# Altium PCB LimeSDR-QPCIe_1v2.PcbDoc (part 11 of 21)
Units mm, origin at the board's own origin, x right, y up, seen from the top; angles counter-clockwise.
Board outline 190 x 111.15 mm, 14 copper layers (Top, L2, L3, L4, L5, L6, L7, L8, L9, L10, L11, L12, L13, Bottom), stack 1.907 mm thick; 2014 components, 1408 nets, 9111 pads, 4171 vias.
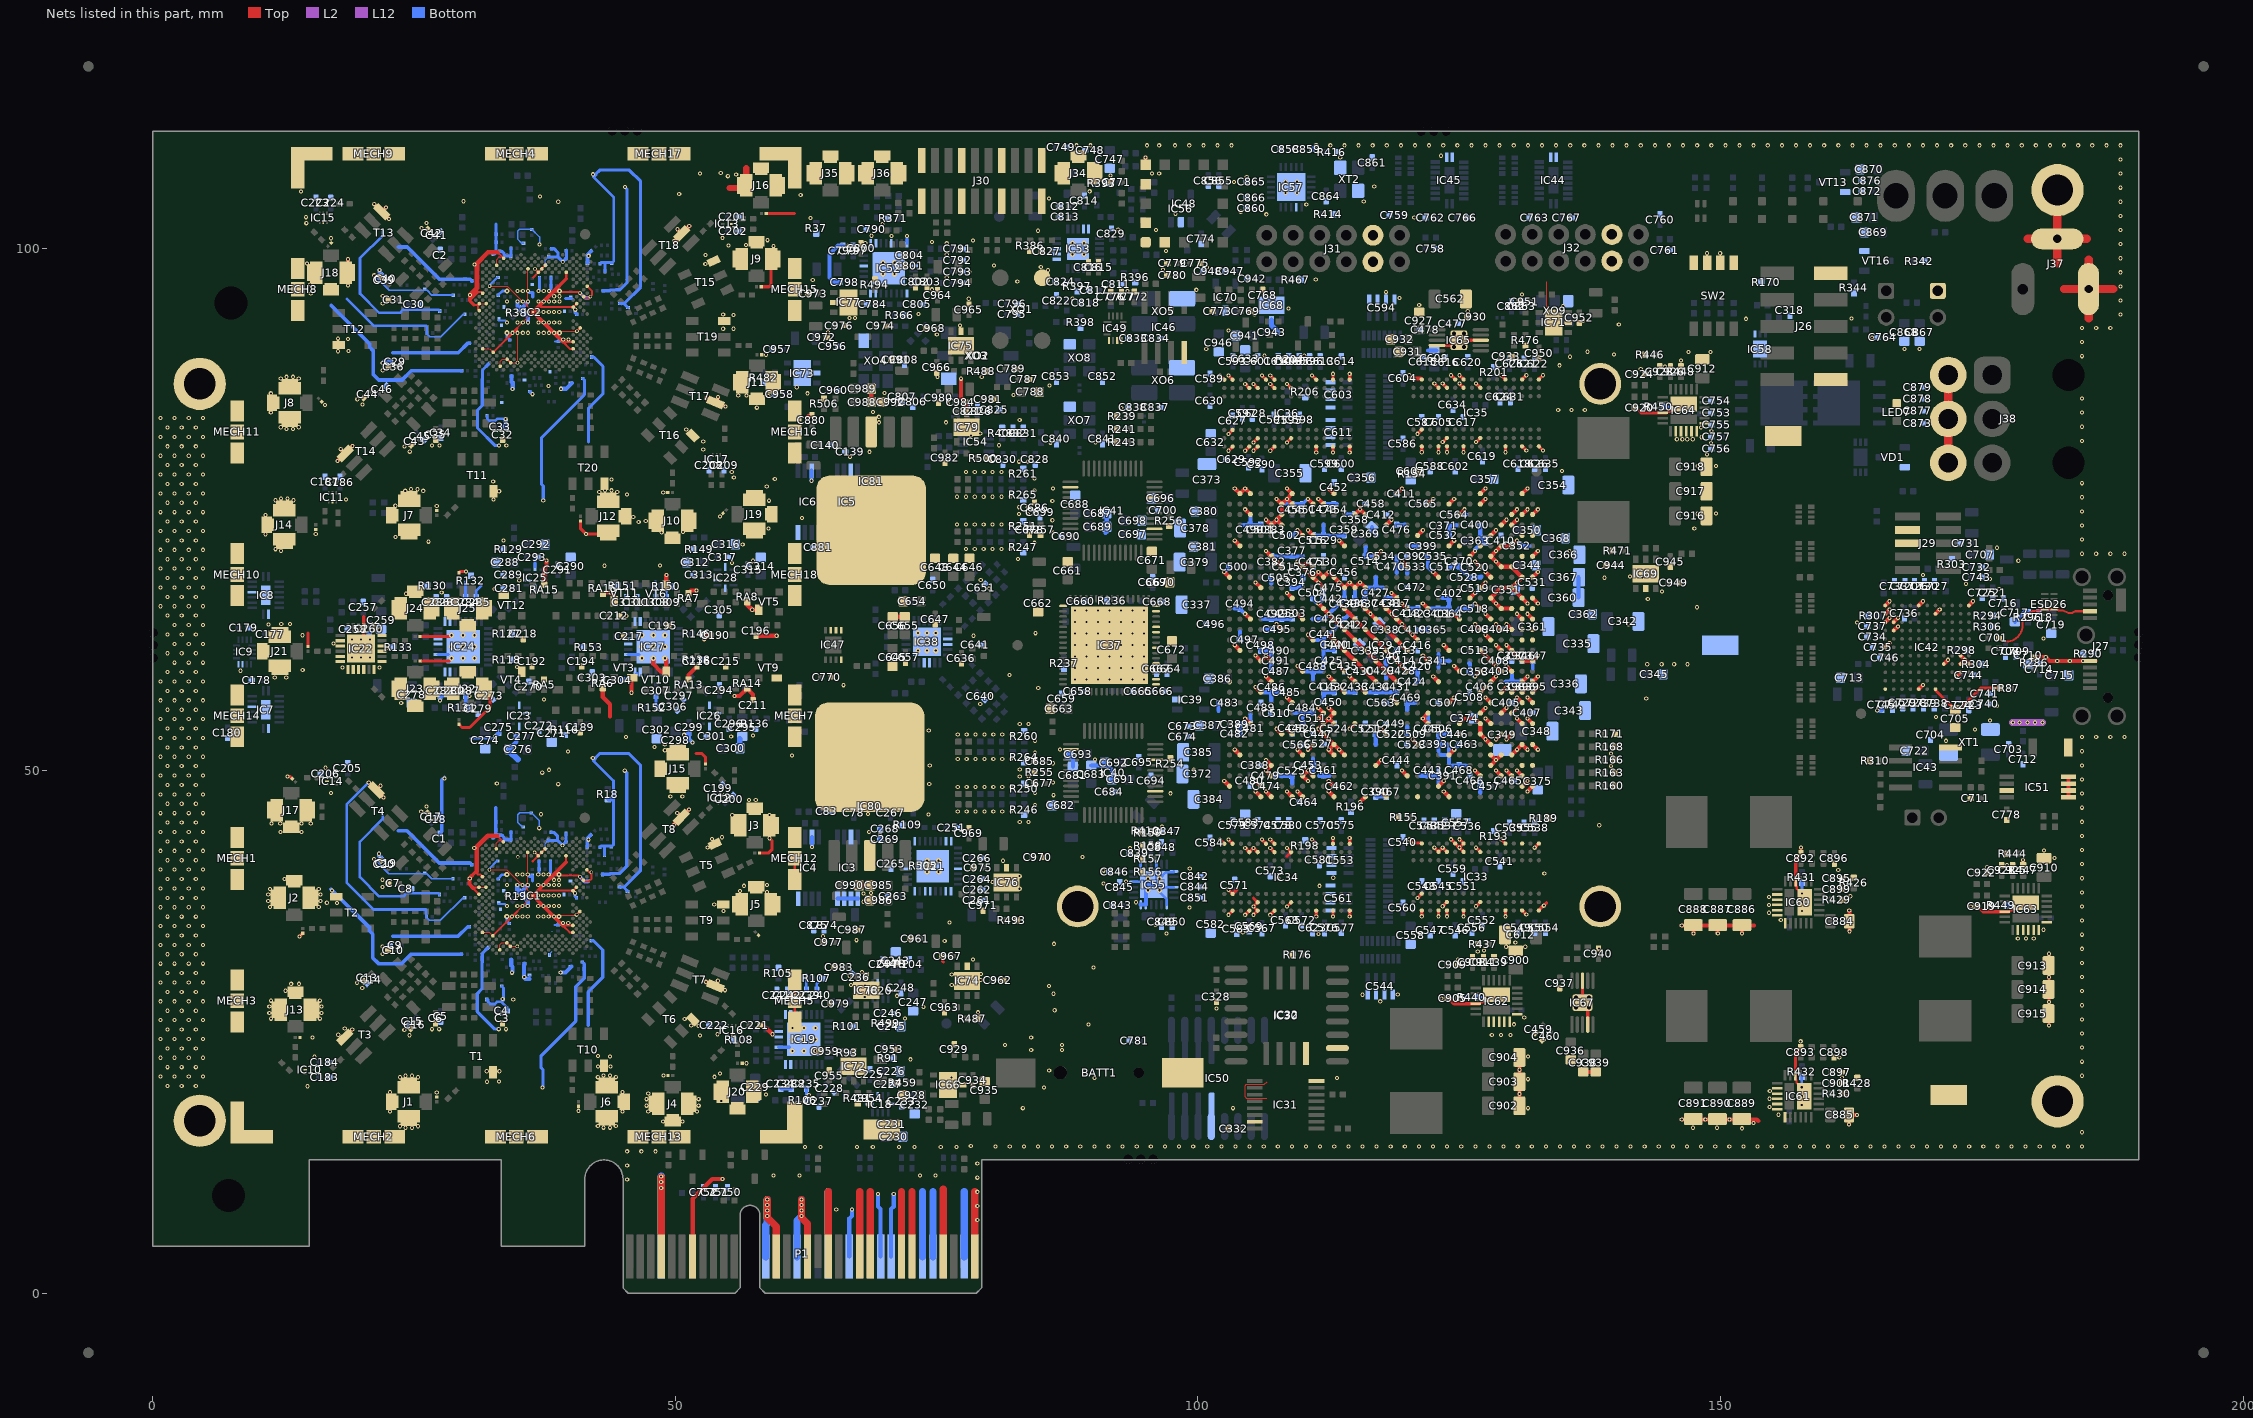
[diagram p23: the nets of this part, all layers, seen from the top]

## Via types
v1: diameter 0.4, hole 0.2, Top to Bottom, tented both sides, 3282 vias
v2: diameter 0.4, hole 0.2, Top to Bottom, tented top, 531 vias
v3: diameter 0.35, hole 0.2, Top to Bottom, tented top, 210 vias
v4: diameter 0.5, hole 0.2, Top to Bottom, tented both sides, 99 vias
v5: diameter 0.5, hole 0.2, Top to Bottom, tented bottom, 49 vias

## Nets (pads, with @x,y where several pads share a name; then routed paths per layer and width w, separated by ;. In a path a pad name is that pad's centre, name@x,y a point inside that pad or via, vN(x,y) a via of type N, cw(c..) or ccw(c..) an arc to the next point about the centre after c; other vN are vias at no path point) (continued)
FX3_USB_SSTX_P: C701.2 ESD26.2 ESD26.9 J27.7 | length 10.7
  Top w0.2: C701.2@176.65,62.7 176.75,62.6 ccw(c177.354,63.204) 177.354,62.35 ccw(c177.354,63.896) 178.123,62.555 ccw(c177.354,63.896) 178.9,63.896 178.9,63.95 cw(c180.25,63.95) 180.25,65.3 180.45,65.3 cw(c180.691,65.059) 180.691,65.4 ESD26.9@181.026,65.4 ESD26.2@181.9,65.4 182.158,65.4 cw(c182.158,65.059) 182.399,65.3 182.762,65.3 183.287,65.075 183.649,65.075 cw(c184.071,64.653) 184.071,65.25 J27.7@185.349,65.25
FX3_VBUS: C705.2 FR87.2 IC42.E11 | length 7.9
  Top w0.309: IC42.E11@170.575,57.8 170.575,57.7 C705.2@172.45,55.825 172.825,55.825 174.9,57.9 FR87.2@176.775,57.9
GND: BATT1.NEGATIVE C1.2 C2.2 C3.2 C4.1 C5.1 C6.2 C7.2 C8.1 C9.1 C10.2 C13.2 C14.1 C15.1 C16.2 C17.2 C18.1 C19.1 C20.2 C29.1 C30.1 C31.2 C32.2 C33.1 C34.1 C35.2 C36.2 C39.2 C40.1 C41.1 C42.2 C43.2 C44.2 C45.1 C46.1 C55.2 C56.2 C57.2 C58.2 C59.2 C60.2 C61.2 C62.2 C63.2 C64.2 C65.2 C66.2 C67.2 C68.2 C69.2 C70.2 C71.2 C72.2 C73.2 C74.2 C75.2 C76.2 C77.2 C78.1 C79.2 C80.2 C81.2 C82.2 C83.1 C84.2 C85.2 C86.2 C87.2 C88.2 C89.2 C90.2 C91.2 C92.2 C93.2 C94.2 C95.2 C96.2 C97.2 C98.2 C99.2 C100.2 C101.2 C102.2 C103.2 C104.2 C105.2 C106.1 C107.1 C108.2 C109.2 C110.2 C111.2 C112.2 C113.2 C114.2 C115.2 C116.2 C117.2 C118.2 C119.2 C120.2 C121.2 C122.2 C123.2 C124.2 C125.2 C126.2 C127.2 C128.2 C129.2 C130.2 C131.2 C132.2 C133.2 C134.2 C135.2 C136.2 C137.2 C138.2 C139.1 C140.1 C141.2 C142.2 C143.2 C144.2 C145.2 C146.2 C147.2 C148.2 C149.2 C150.2 C151.2 C152.2 C153.2 C154.2 C155.2 C156.2 C157.2 C158.2 C159.2 C160.2 C161.2 C162.2 C163.2 C164.2 C165.2 C166.2 C167.1 C168.2 C169.2 C170.2 C171.2 C172.2 C173.2 C174.2 C175.2 C176.2 C177.1 C178.1 C179.1 C180.1 C183.1 C184.1 C186.1 C187.1 C189.2 C190.2 C192.2 C194.2 C195.2 C196.2 C199.1 C200.1 C201.1 C202.1 C205.1 C206.1 C208.1 C209.1 C211.2 C212.2 C215.2 C216.2 C217.2 C218.2 C221.1 C222.1 C223.1 C224.1 C225.1 C226.1 C227.2 C228.2 C229.1 C230.1 C231.2 C232.1 C233.2 C234.1 C235.1 C236.1 C237.1 C238.1 C239.2 C240.2 C241.1 C242.1 C243.1 C244.2 C245.1 C246.2 C247.1 C248.2 C251.1 C257.1 C258.1 C259.1 C260.1 C261.1 C262.1 C263.1 C264.1 C265.1 C266.1 C267.1 C268.1 C269.1 C270.1 C271.1 C272.2 C273.2 C274.1 C275.2 C276.1 C277.2 C278.1 C279.1 C280.1 C281.1 C282.1 C283.1 C284.2 C285.2 C286.1 C287.1 C288.1 C289.2 C290.1 C291.2 C292.1 C293.2 C294.1 C295.1 C296.2 C297.2 C298.1 C299.2 C300.1 C301.2 C302.1 C303.1 C304.1 C305.1 C306.1 C307.1 C308.2 C309.2 C310.1 C311.1 C312.1 C313.2 C314.1 C315.2 C316.1 C317.2 C318.2 C328.2 C332.2 C335.1 C336.1 C337.1 C338.1 C339.1 C340.2 C341.2 C342.1 C343.1 C344.1 C345.1 C346.1 C347.2 C348.1 C349.1 C350.1 C351.1 C352.1 C353.2 C354.1 C355.1 C356.1 C357.1 C358.1 C359.2 C360.1 C361.1 C362.1 C363.1 C364.1 C365.2 C366.1 C367.1 C368.1 C369.1 C370.1 C371.2 C372.1 C373.1 C374.1 C375.1 C376.1 C377.2 C378.1 C379.1 C380.1 C381.1 C382.1 C383.2 C384.1 C385.1 C386.1 C387.1 C388.1 C389.2 C390.2 C391.2 C392.2 C393.2 C394.2 C395.2 C396.2 C397.2 C398.2 C399.2 C400.2 C401.2 C402.2 C403.2 C404.2 C405.2 C406.2 C407.2 C408.2 C409.2 C410.2 C411.2 C412.2 C413.2 C414.2 C415.2 C416.2 C417.2 C418.2 C419.2 C420.2 C421.2 C422.2 C423.2 C424.2 C425.2 C426.2 C427.2 C428.2 C429.2 C430.2 C431.2 C432.2 C433.2 C434.2 C435.2 C436.2 C437.2 C438.2 C439.2 C440.2 C441.2 C442.2 C443.2 C444.2 C445.2 C446.2 C447.2 C448.2 C449.2 C450.2 C451.2 C452.2 C453.2 C454.2 C455.2 C456.2 C457.2 C458.2 C459.2 C460.2 C461.2 C462.2 C463.2 C464.2 C465.2 C466.2 C467.2 C468.2 C469.2 C470.2 C471.2 C472.2 C473.2 C474.2 C475.2 C476.2 C477.2 C478.2 C479.2 C480.2 C481.2 C482.2 C483.2 C484.2 C485.2 C486.2 C487.2 C488.2 C489.2 C490.2 C491.2 C492.2 C493.2 C494.2 C495.2 C496.2 C497.2 C498.2 C499.2 C500.2 C501.2 C502.2 C503.2 C504.2 C505.2 C506.2 C507.2 C508.2 C509.2 C510.2 C511.2 C512.2 C513.2 C514.2 C515.2 C516.2 C517.2 C518.2 C519.2 C520.2 C521.2 C522.2 C523.2 C524.2 C525.2 C526.2 C527.2 C528.2 C529.2 C530.2 C531.2 C532.2 C533.2 C534.2 C535.2 C536.2 C537.2 C538.2 C539.2 C540.2 C541.2 C542.2 C543.2 C544.5 C544.6 C544.7 C544.8 C545.2 C546.2 C547.2 C548.2 C549.2 C550.2 C551.2 C552.2 C553.5 C553.6 C553.7 C553.8 C554.2 C555.2 C556.2 C557.1 C558.1 C559.2 C560.1 C561.5 C561.6 C561.7 C561.8 C562.1 C563.2 C564.2 C565.2 C566.2 C567.2 C568.2 C569.2 C570.2 C571.2 C572.2 C573.2 C574.2 C575.2 C576.2 C577.2 C578.2 C579.2 C580.2 C581.2 C582.1 C583.1 C584.2 C585.1 C586.2 C587.2 C588.2 C589.2 C590.2 C591.2 C592.2 C593.2 C594.5 C594.6 C594.7 C594.8 C595.2 C596.2 C597.2 C598.2 C599.2 C600.2 C601.2 C602.2 C603.5 C603.6 C603.7 C603.8 C604.2 C605.2 C606.2 C607.1 C608.1 C609.2 C610.1 C611.5 C611.6 C611.7 C611.8 C612.1 C613.2 C614.2 C615.2 C616.2 C617.2 C618.2 C619.2 C620.2 C621.2 C622.2 C623.2 C624.2 C625.2 C626.2 C627.2 C628.2 C629.2 C630.2 C631.2 C632.1 C633.1 C634.2 C635.1 C636.1 C640.2 C641.2 C644.1 C645.1 C646.1 C647.2 C648.1 C650.2 C651.2 C654.1 C655.1 C656.1 C657.2 C658.1 C659.1 C660.1 C661.1 C662.1 C663.2 C664.1 C665.1 C666.1 C667.1 C668.1 C669.1 C670.1 C671.1 C672.2 C673.2 C674.1 C677.1 C678.1 C681.1 C682.1 C683.1 C684.1 C685.1 C686.1 C687.1 C688.1 C689.1 C690.1 C691.1 C692.1 C693.1 C694.1 C695.1 C696.1 C697.1 C698.1 C699.1 C700.1 C703.1 C704.1 C705.1 C707.1 C708.2 C709.1 C710.1 C711.2 C712.2 C713.1 C714.2 C715.1 C716.2 C717.1 C718.2 C719.1 C720.2 C721.1 C722.1 C723.2 C724.1 C725.2 C726.1 C727.2 C728.2 C729.1 C730.1 C731.2 C732.2 C733.2 C734.2 C735.2 C736.2 C737.2 C738.2 C739.1 C740.1 C741.1 C742.1 C743.1 C744.1 C745.1 C746.1 C747.1 C748.2 C749.2 C750.2 C751.2 C752.2 C753.2 C754.2 C755.2 C756.2 C757.2 C758.2 C759.2 C760.2 C761.2 C762.2 C763.2 C764.2 C766.2 C767.2 C768.2 C769.2 C770.2 C771.1 C772.2 C773.2 C774.1 C775.1 C776.2 C777.2 C778.2 C779.1 C780.1 C781.2 C784.1 C787.1 C788.1 C789.2 C790.1 C791.1 C792.1 C793.1 C794.1 C795.1 C796.1 C797.1 C798.1 C799.1 C800.1 C801.1 C802.1 C803.1 C804.1 C805.1 C806.1 C807.1 C808.1 C811.1 C812.1 C813.2 C814.2 C815.2 C816.2 C817.1 C818.2 C821.1 C822.1 C824.1 C825.2 C826.2 C827.2 C828.1 C829.1 C830.2 C831.1 C832.2 C833.1 C834.2 C837.1 C838.2 C839.1 C840.2 C841.1 C842.1 C843.1 C844.1 C845.1 C846.1 C847.1 C848.1 C849.1 C850.1 C851.1 C852.2 C853.1 C855.2 C856.1 C858.2 C859.2 C860.2 C861.1 C862.2 C863.1 C864.1 C865.2 C866.2 C867.1 C868.1 C869.1 C870.1 C871.1 C872.2 C873.2 C874.1 C875.2 C876.2 C877.2 C878.2 C879.2 C880.1 C881.2 C884.1 C885.1 C886.1 C887.1 C888.1 C889.1 C890.1 C891.1 C892.2 C893.2 C895.2 C896.2 C897.2 C898.2 C899.2 C900.1 C901.2 C902.1 C903.1 C904.1 C905.2 C908.2 C909.2 C910.1 C911.2 C912.1 C913.1 C914.1 C915.1 C916.1 C917.1 C918.1 C919.2 C920.2 C921.2 C922.2 C923.2 C924.2 C925.2 C926.1 C927.1 C928.1 C929.1 C930.1 C931.1 C932.1 C933.2 C934.1 C935.1 C936.1 C937.1 C938.1 C939.1 C940.2 C941.1 C942.1 C943.1 C944.1 C945.1 C946.1 C947.1 C948.2 C949.1 C950.1 C951.1 C952.1 C953.1 C954.1 C955.1 C956.1 C957.1 C958.1 C959.1 C960.1 C961.1 C962.1 C963.1 C964.1 C965.1 C966.1 C967.1 C968.1 C969.1 C970.1 C971.1 C972.1 C973.1 C974.1 C975.1 C976.1 C977.1 C978.1 C979.1 C980.1 C981.1 C982.1 C983.1 C984.1 C985.1 C986.1 C987.1 C988.1 C989.1 C990.1 C991.1 C992.1 ESD1.2 ESD2.2 ESD3.2 ESD4.2 ESD5.2 ESD6.2 ESD7.2 ESD8.2 ESD9.2 ESD10.2 ESD11.2 ESD12.2 ESD13.2 ESD14.2 ESD15.2 ESD16.2 ESD17.2 ESD18.2 ESD19.2 ESD20.2 ESD21.2 ESD22.2 ESD23.2 ESD24.2 ESD25.2 FAN1.1 IC1.AA31 IC1.AF32 IC1.AG29 IC1.AJ7 IC1.AJ9 IC1.AJ19 IC1.AK12 IC1.AK20 IC1.AL13 IC1.AL23 IC1.AM22 IC1.AN25 IC1.B18 IC1.B20 IC1.C7 IC1.C23 IC1.D20 IC1.E25 IC1.F6 IC1.G31 IC1.GND IC1.H2 IC1.J33 IC1.K4 IC1.L3 IC1.N3 IC1.T30 IC1.V30 IC1.W29 IC1.Y30 IC2.AA31 IC2.AF32 IC2.AG29 IC2.AJ7 IC2.AJ9 IC2.AJ19 IC2.AK12 IC2.AK20 IC2.AL13 IC2.AL23 IC2.AM22 IC2.AN25 IC2.B18 IC2.B20 IC2.C7 IC2.C23 IC2.D20 IC2.E25 IC2.F6 IC2.G31 IC2.GND IC2.H2 IC2.J33 IC2.K4 IC2.L3 IC2.N3 IC2.T30 IC2.V30 IC2.W29 IC2.Y30 IC3.1 IC3.2 IC3.3 IC3.4 IC3.7 IC4.4 IC4.7 IC5.1 IC5.2 IC5.3 IC5.4 IC5.7 IC6.4 IC6.7 IC7.8 IC7.13 IC7.PAD IC8.8 IC8.13 IC8.PAD IC9.7 IC9.8 IC10.2 IC11.2 IC12.2 IC13.2 IC14.2 IC15.2 IC16.2 IC17.2 IC18.2 IC18.5 IC18.10 IC19.1 IC19.2 IC19.23 IC19.24 IC19.27 IC19.29 IC19.30 IC19.PAD IC20.2 IC20.5 IC20.10 IC21.4 IC21.9 IC21.15 IC21.16 IC21.21 IC21.25 IC21.26 IC21.29 IC21.30 IC21.32 IC22.1 IC22.2 IC22.3 IC22.4 IC22.6 IC22.7 IC22.9 IC22.10 IC22.12 IC22.13 IC22.15 IC22.20 IC22.21 IC22.23 IC22.24 IC22.PAD IC23.2 IC23.5 IC23.10 IC24.1 IC24.2 IC24.23 IC24.24 IC24.27 IC24.29 IC24.30 IC24.PAD IC25.2 IC25.5 IC25.10 IC26.2 IC26.5 IC26.10 IC27.1 IC27.2 IC27.23 IC27.24 IC27.27 IC27.29 IC27.30 IC27.PAD IC28.2 IC28.5 IC28.10 IC29.A9 IC29.A12 IC29.A15 IC29.A17 IC29.A20 IC29.A23 IC29.A24 IC29.A26 IC29.A27 IC29.AA3 IC29.AA4 IC29.AA6 IC29.AA17 IC29.AA18 IC29.AA19 IC29.AA21 IC29.AA27 IC29.AB1 IC29.AB2 IC29.AB5 IC29.AB10 IC29.AB20 IC29.AB21 IC29.AB22 IC29.AB30 IC29.AC3 IC29.AC4 IC29.AC6 IC29.AC13 IC29.AC22 IC29.AC23 IC29.AC25 IC29.AD1 IC29.AD2 IC29.AD5 IC29.AD7 IC29.AD16 IC29.AD26 IC29.AE3 IC29.AE4 IC29.AE6 IC29.AE8 IC29.AE9 IC29.AE19 IC29.AE29 IC29.AF1 IC29.AF2 IC29.AF5 IC29.AF12 IC29.AF22 IC29.AF23 IC29.AG3 IC29.AG4 IC29.AG15 IC29.AG25 IC29.AG26 IC29.AH1 IC29.AH2 IC29.AH3 IC29.AH8 IC29.AH17 IC29.AH18 IC29.AH25 IC29.AH28 IC29.AJ6 IC29.AJ9 IC29.AJ11 IC29.AJ21 IC29.AJ22 IC29.AJ24 IC29.AJ25 IC29.AK2 IC29.AK6 IC29.AK14 IC29.AK20 IC29.AK24 IC29.AK28 IC29.AK29 IC29.B1 IC29.B2 IC29.B10 IC29.B20 IC29.B27 IC29.B30 IC29.C2 IC29.C3 IC29.C4 IC29.C6 IC29.C13 IC29.C22 IC29.C23 IC29.C26 IC29.D1 IC29.D2 IC29.D5 IC29.D16 IC29.D26 IC29.E3 IC29.E4 IC29.E5 IC29.E9 IC29.E19 IC29.E20 IC29.E23 IC29.E29 IC29.F1 IC29.F2 IC29.F5 IC29.F12 IC29.F20 IC29.F22 IC29.G3 IC29.G4 IC29.G6 IC29.G8 IC29.G15 IC29.G21 IC29.G24 IC29.G25 IC29.H1 IC29.H2 IC29.H5 IC29.H6 IC29.H8 IC29.H11 IC29.H18 IC29.H20 IC29.H21 IC29.H28 IC29.J3 IC29.J4 IC29.J6 IC29.J11 IC29.J20 IC29.J21 IC29.K1 IC29.K2 IC29.K5 IC29.K9 IC29.K14 IC29.K24 IC29.L1 IC29.L2 IC29.L3 IC29.L4 IC29.L6 IC29.L17 IC29.L19 IC29.L27 IC29.M1 IC29.M2 IC29.M5 IC29.M10 IC29.M14 IC29.M16 IC29.M18 IC29.M20 IC29.M26 IC29.M30 IC29.N3 IC29.N4 IC29.N6 IC29.N8 IC29.N13 IC29.N15 IC29.N17 IC29.N19 IC29.N23 IC29.P1 IC29.P2 IC29.P5 IC29.P11 IC29.P14 IC29.P16 IC29.P18 IC29.P26 IC29.P27 IC29.R3 IC29.R4 IC29.R6 IC29.R9 IC29.R13 IC29.R15 IC29.R17 IC29.R19 IC29.R29 IC29.T1 IC29.T2 IC29.T5 IC29.T12 IC29.T14 IC29.T16 IC29.T18 IC29.T20 IC29.T22 IC29.U1 IC29.U2 IC29.U3 IC29.U4 IC29.U6 IC29.U13 IC29.U15 IC29.U17 IC29.U19 IC29.U25 IC29.V1 IC29.V2 IC29.V5 IC29.V8 IC29.V14 IC29.V16 IC29.V18 IC29.V20 IC29.V23 IC29.V28 IC29.W1 IC29.W2 IC29.W3 IC29.W4 IC29.W6 IC29.W11 IC29.W13 IC29.W15 IC29.W17 IC29.W19 IC29.W21 IC29.Y1 IC29.Y2 IC29.Y5 IC29.Y7 IC29.Y14 IC29.Y24 IC30.4 IC31.8 IC31.15 IC32.10 IC33.A9 IC33.B1 IC33.B3 IC33.B9 IC33.D1 IC33.D8 IC33.E1 IC33.E2 IC33.E8 IC33.F9 IC33.G1 IC33.G8 IC33.G9 IC33.J2 IC33.J8 IC33.M1 IC33.M9 IC33.P1 IC33.P9 IC33.T1 IC33.T9 IC34.A9 IC34.B1 IC34.B3 IC34.B9 IC34.D1 IC34.D8 IC34.E1 IC34.E2 IC34.E8 IC34.F9 IC34.G1 IC34.G8 IC34.G9 IC34.J2 IC34.J8 IC34.M1 IC34.M9 IC34.P1 IC34.P9 IC34.T1 IC34.T9 IC35.A9 IC35.B1 IC35.B3 IC35.B9 IC35.D1 IC35.D8 IC35.E1 IC35.E2 IC35.E8 IC35.F9 IC35.G1 IC35.G8 IC35.G9 IC35.J2 IC35.J8 IC35.M1 IC35.M9 IC35.P1 IC35.P9 IC35.T1 IC35.T9 IC36.A9 IC36.B1 IC36.B3 IC36.B9 IC36.D1 IC36.D8 IC36.E1 IC36.E2 IC36.E8 IC36.F9 IC36.G1 IC36.G8 IC36.G9 IC36.J2 IC36.J8 IC36.M1 IC36.M9 IC36.P1 IC36.P9 IC36.T1 IC36.T9 IC37.17 IC37.18 IC37.21 IC37.24 IC37.27 IC37.28 IC37.31 IC37.32 IC37.49 IC37.65 IC38.15 IC38.16 IC38.21 IC38.22 IC38.25 IC39.2 IC40.15 IC40.21 IC40.38 IC41.15 IC41.21 IC41.38 IC42.A1 IC42.A8 IC42.B7 IC42.B8 IC42.B9 IC42.D8 IC42.E2 IC42.G1 IC42.G11 IC42.K3 IC42.K4 IC42.L1 IC42.L2 IC42.L3 IC42.L6 IC42.L11 IC43.4 IC44.10 IC44.11 IC45.10 IC45.11 IC46.4 IC47.4 IC47.5 IC47.6 IC47.7 IC48.1 IC48.2 IC48.4 IC48.5 IC48.16 IC49.5 IC49.7 IC49.8 IC50.13 IC51.1 IC51.2 IC51.3 IC51.4 IC51.7 IC52.4 IC52.9 IC52.15 IC52.16 IC52.21 IC52.25 IC52.26 IC52.29 IC52.32 IC53.1 IC53.2 IC53.3 IC53.9 IC53.10 IC53.21 IC54.8 IC55.1 IC55.4 IC55.7 IC55.11 IC55.12 IC55.16 IC55.19 IC55.22 IC55.25 IC56.2 IC57.7 IC57.21 IC58.4 IC58.7 IC60.4 IC60.8 IC60.9 IC60.10 IC60.11 IC60.12 IC60.13 IC60.25 IC61.4 IC61.8 IC61.9 IC61.10 IC61.11 IC61.12 IC61.13 IC61.25 IC62.4 IC62.8 IC62.9 IC62.10 IC62.11 IC62.12 IC62.13 IC62.25 IC63.4 IC63.8 IC63.9 IC63.10 IC63.11 IC63.12 IC63.13 IC63.25 IC64.4 IC64.8 IC64.9 IC64.10 IC64.11 IC64.12 IC64.13 IC64.25 IC65.4 IC65.8 IC65.11 IC66.2 IC66.PAD IC67.4 IC67.8 IC67.11 IC68.2 IC68.PAD IC69.2 IC69.PAD IC70.2 IC71.2 IC71.PAD IC72.2 IC72.PAD IC73.2 IC73.PAD IC74.2 IC74.PAD IC75.2 IC75.PAD IC76.2 IC76.PAD IC77.2 IC77.PAD IC78.2 IC78.PAD IC79.2 IC79.PAD IC80.3 IC81.3 J1.2 J2.2 J3.2 J4.2 J5.2 J6.2 J7.2 J8.2 J9.2 J10.2 J11.2 J12.2 J13.2 J14.2 J15.2 J16.2 J17.2 J18.2 J19.2 J20.2 J21.2 J22.2 J23.2 J24.2 J25.2 J26.2 J26.10 J27.5 J29.3 J29.5 J30.1 J30.2 J30.7 J30.8 J30.13 J30.14 J30.19 J30.20 J31.5 J31.11 J32.5 J32.11 J34.2 J35.2 J36.2 J37.2 J37.3 J38.4 J38.5 J38.6 J39.1 LED7.K MECH1.1 MECH2.1 MECH3.1 MECH4.1 MECH5.1 MECH6.1 MECH7.1 MECH8.1 MECH9.1 MECH10.1 MECH11.1 MECH12.1 MECH13.1 MECH14.1 MECH15.1 MECH16.1 MECH17.1 MECH18.1 MECH26.MH1 MECH27.MH1 MECH36.MH1 MECH37.MH1 NT1.2 P1.A4 P1.A12 P1.A15 P1.A18 P1.A20 P1.A23 P1.A24 P1.A27 P1.A28 P1.A31 P1.B4 P1.B7 P1.B13 P1.B16 P1.B18 P1.B21 P1.B22 P1.B25 P1.B26 P1.B29 P1.B32 pad.0 R18.2 R19.2 R37.2 R38.2 R91.1 R93.1 R101.1 R104.1 R105.1 R106.2 R107.2 R108.2 R109.1 R116.1 R118.1 R127.1 R129.1 R130.1 R131.2 R132.2 R133.2 R136.1 R138.1 R146.1 R149.1 R150.2 R151.1 R152.2 R153.2 R154.1 R155.1 R156.2 R157.2 R158.2 R159.2 R160.2 R163.2 R166.2 R168.2 R170.2 R171.2 R176.2 R189.2 R193.2 R196.2 R198.2 R201.2 R204.2 R206.2 R236.1 R237.2 R239.1 R241.1 R243.1 R246.2 R247.2 R250.2 R251.2 R254.1 R255.1 R256.1 R257.1 R260.2 R261.2 R264.2 R265.2 R286.1 R290.1 R294.2 R296.2 R298.2 R303.2 R304.1 R306.1 R307.2 R310.1 R342.1 R344.2 R366.1 R371.1 R386.1 R393.1 R396.2 R397.2 R398.1 R409.2 R410.1 R414.2 R416.1 R426.2 R428.2 R429.2 R430.2 R431.2 R432.2 R437.2 R439.2 R440.1 R444.2 R446.2 R447.2 R448.2 R449.1 R450.1 R459.1 R467.1 R471.1 R476.1 R481.1 R482.1 R487.1 R488.1 R493.1 R494.1 R499.1 R500.1 R505.2 R506.2 RA5.1 RA6.1 RA7.1 RA8.1 RA13.1 RA14.1 RA15.1 RA16.1 SW1.1 SW2.1 SW2.2 SW2.3 SW2.4 T1.3 T2.4 T3.3 T4.3 T5.3 T6.3 T7.2 T8.2 T9.3 T10.3 T11.3 T12.3 T13.3 T14.3 T15.3 T16.3 T17.2 T18.2 T19.3 T20.3 TP1.1 TP2.1 TP3.1 TP4.1 TP5.1 VD1.2 VT3.1 VT4.1 VT5.1 VT6.1 VT9.1 VT10.1 VT11.1 VT12.1 VT13.S VT16.S XO1.2 XO2.2 XO3.2 XO4.4 XO5.2 XO6.2 XO7.3 XO8.3 XO9.3 XT1.2 XT1.4 XT2.2 XT2.4 | length 1325.7
  Top w0.1: 106.6,18.675 104.638,18.675 104.525,18.788 104.525,19.862 104.638,19.975 106.375,19.975 106.625,20.225 ; 133.375,96.775 133.375,94.45 133.575,94.25
  Top w0.11: IC1.B20@31.218,38.847 IC1.D20@31.884,38.847 ; IC2.B20@31.245,94.684 IC2.D20@31.911,94.684 ; IC1.C7@31.551,34.518 32.217,34.518 IC1.F6@32.55,34.185 ; IC2.C7@31.578,90.355 32.244,90.355 IC2.F6@32.577,90.022 ; v3(32.217,40.512) 33.898,40.512 35.373,39.038 35.88,38.53 ; v3(32.244,96.349) 33.925,96.349 35.399,94.875 35.907,94.367 ; IC1.G31@32.883,42.51 32.883,43.062 33.135,43.315 33.41,43.315 ; IC2.G31@32.91,98.347 32.91,98.9 33.162,99.152 33.437,99.152 ; IC1.H2@33.216,32.853 33.213,32.856 33.213,33.317 33.415,33.519 IC1.K4@33.882,33.519 ; IC2.H2@33.243,88.69 33.24,88.693 33.24,89.154 33.442,89.356 IC2.K4@33.909,89.356 ; IC1.L3@34.215,33.189 IC1.N3@34.781,33.189 ; IC2.L3@34.242,89.026 IC2.N3@34.808,89.026 ; 34.881,36.516 34.881,36.561 36.365,38.045 35.88,38.53 ; v3(34.908,89.023) 34.908,92.353 34.908,92.398 36.392,93.882 35.907,94.367 ; IC1.T30@35.88,42.177 35.88,38.53 ; IC2.T30@35.907,98.014 35.907,94.367 ; 38.227,36.183 IC1.AK12@40.542,36.183 ; 38.254,92.02 IC2.AK12@40.569,92.02
  Top w0.2: 30.699,38.73 30.699,38.7 IC1.B18@31.218,38.181 ; 30.725,94.567 IC2.B20@31.128,94.567 ; 30.794,38.8 IC1.B20@31.218,38.8 ; 31.058,95.8 31.431,95.8 IC2.C23@31.563,95.668 ; 31.075,40.075 31.322,40.075 IC1.C23@31.551,39.846 ; IC1.B20@31.218,38.825 IC1.B20@31.218,38.847 ; IC2.B18@31.245,94.018 31.128,94.135 IC2.B20@31.128,94.567 ; IC2.B20@31.245,94.684 IC2.B20@31.128,94.567 ; IC1.F6@32.55,34.185 34.881,36.516 ; IC2.F6@32.577,90.022 34.908,92.353 ; 32.96,43.765 33.41,43.315 IC1.J33@33.549,43.176 ; 32.987,99.602 33.437,99.152 IC2.J33@33.576,99.013 ; IC1.K4@33.882,33.519 IC1.L3@34.215,33.186 ; IC2.K4@33.909,89.356 IC2.L3@34.242,89.023 ; 36.365,41.33 IC1.W29@36.879,41.844 ; 36.392,97.167 IC2.W29@36.906,97.681 ; v3(36.546,42.177) IC1.W29@36.879,41.844 ; v3(36.573,98.014) IC2.W29@36.906,97.681 ; 36.834,38.514 IC1.AJ19@40.209,38.514 ; 36.861,94.351 IC2.AJ19@40.236,94.351 ; IC1.AA31@37.545,42.51 IC1.Y30@37.212,42.177 IC1.W29@36.879,41.844 ; IC2.AA31@37.572,98.347 IC2.Y30@37.239,98.014 IC2.W29@36.906,97.681 ; 38.283,39.963 40.758,39.963 v3(40.875,39.846) 41.325,39.396 41.727,39.396 41.991,39.66 41.991,40.062 IC1.AN25@41.541,40.512 ; 38.31,95.8 40.785,95.8 v3(40.902,95.683) 41.352,95.233 41.754,95.233 42.018,95.497 42.018,95.899 IC2.AN25@41.568,96.349 ; 39.543,41.223 IC1.AG29@39.543,41.844 ; 39.57,97.06 IC2.AG29@39.57,97.681 ; IC1.AJ7@40.209,34.518 39.892,34.518 39.226,35.184 IC1.AJ9@40.209,35.184 ; IC2.AJ7@40.236,90.355 39.919,90.355 39.253,91.021 IC2.AJ9@40.236,91.021 ; v1(40.405,38.265) 40.209,38.461 IC1.AJ19@40.209,38.514 ; v1(40.432,94.102) 40.236,94.298 IC2.AJ19@40.236,94.351 ; IC1.AK12@40.542,36.183 IC1.AL13@40.875,36.516 ; IC1.AK20@40.542,38.847 IC1.AJ19@40.209,38.514 ; IC2.AK12@40.569,92.02 IC2.AL13@40.902,92.353 ; IC2.AK20@40.569,94.684 IC2.AJ19@40.236,94.351 ; IC62.4@126.95,27.7 127.05,27.8 127.275,27.8 127.425,27.95 127.975,27.95 IC62.25@128.575,28.55 ; IC64.4@144.85,84.225 144.95,84.325 145.175,84.325 145.325,84.475 145.875,84.475 IC64.25@146.475,85.075 ; IC61.4@157.175,20.475 157.275,20.375 157.275,20.15 157.425,20 157.425,19.45 IC61.25@158.025,18.85 ; IC60.4@157.2,39.025 157.3,38.925 157.3,38.7 157.45,38.55 157.45,38 IC60.25@158.05,37.4 ; IC63.4@177.588,36.5 177.688,36.6 177.913,36.6 178.063,36.75 178.613,36.75 IC63.25@179.213,37.35
  Top w0.25: MECH5.1@61.425,25.962 MECH5.1@61.425,27.962 MECH5.1@61.425,29.962 ; MECH12.1@61.425,39.6 MECH12.1@61.425,41.6
  Top w0.3: v1(12.9,49.45) 13.125,49.45 ESD17.2@13.341,49.234 ; v1@14.069,34.15 ESD2.2@14.359,34.441 ; ESD25.2@14.875,61.875 14.875,63.15 ; IC22.PAD@20.188,61.925 IC22.15@20.188,63.675 20.188,64.725 ; ESD22.2@25.575,60.475 28.325,60.475 v4(28.6,60.75) ; ESD23.2@25.575,62.837 28.487,62.837 v4(28.6,62.95) ; ESD21.2@29.3,54.425 29.6,54.125 30.325,54.125 32.275,56.075 32.275,56.95 ; ESD24.2@29.3,68.925 29.425,69.05 v1(29.975,69.05) ; ESD12.2@40.922,73.878 40.922,73.178 v1(41.472,72.628) J12.2@43.588,72.628 ; 51.975,51.625 52.55,51.625 52.875,51.3 ESD15.2@52.875,50.625 ; ESD3.2@58.05,42.1 58.9,42.1 59.263,42.463 59.263,43.325 ; ESD9.2@58.225,96.3 58.975,96.3 59.175,96.5 J9.2@59.175,98.95 ; ESD16.2@58.7,103.3 61.4,103.3 ; 62.61,83.849 62.786,84.025 C880.1@63.075,84.025 ; C967.1@75.55,32.25 75.55,31.804 75.652,31.702 ; IC65.4@122.875,90.675 IC65.11@124.475,90.675 ; IC65.11@124.975,91.175 IC65.8@127.075,91.175 ; IC29.H8@125.025,54.5 125.525,55 126.525,55 IC29.H6@127.025,54.5 ; IC67.11@136.8,27.75 IC67.8@136.8,29.85 ; IC67.4@137.3,25.65 IC67.11@137.3,27.25